# Altium PCB PCB.PcbDoc (part 1 of 3) (continued)
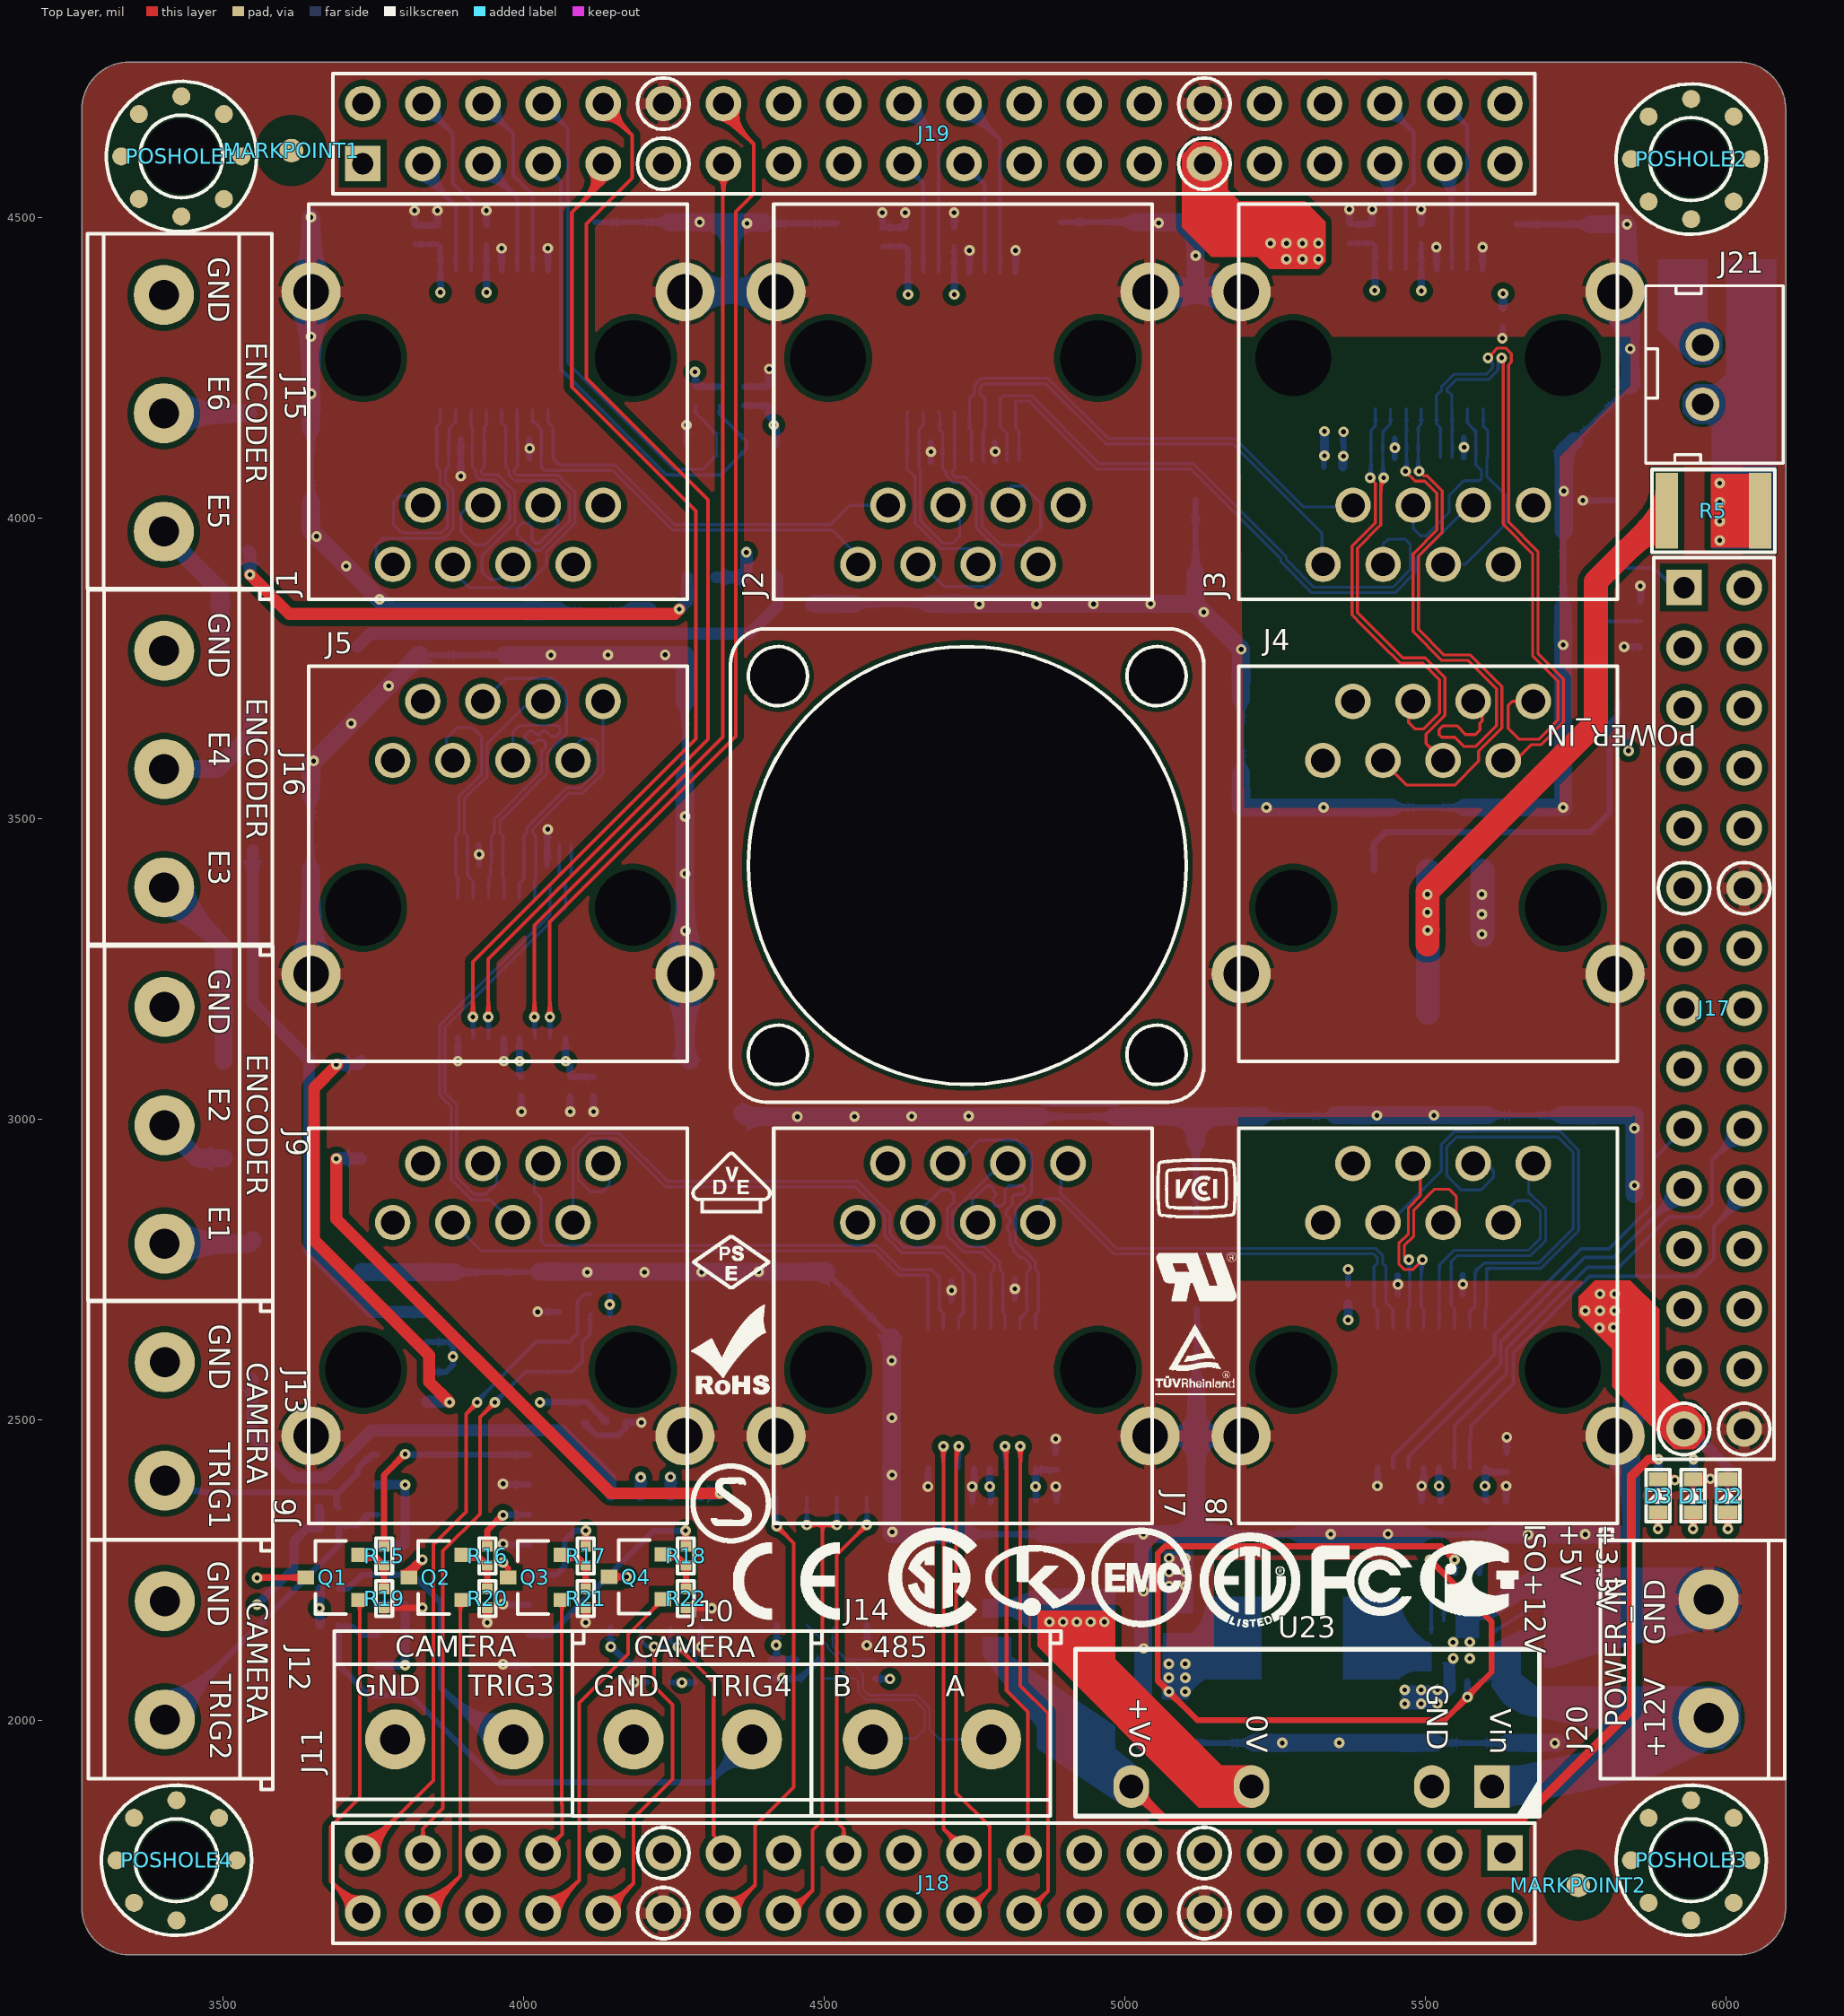
[diagram p0: Top Layer view]
## Components (designator, comment, footprint, x,y, rotation, side; value= is the part's Value field where it differs from the comment) (continued)
R24 "R" R0402 4285.43,2079.44 r270 bottom value=1K
R25 "R" R2512 3548.84,2682.35 r270 bottom value=2.4K
R26 "R" R0402 4584.57,2085.89 r90 bottom value=470
R27 "R" R0402 4540.92,2085.89 r270 bottom value=120
R28 "R" R2512 3615.2,2935.33 r0 bottom value=2.4K
R29 "R" R0402 4497.28,2085.89 r270 bottom value=470
R30 "R" R0402 4326.28,4203.62 r90 bottom value=1K
R31 "R" R0402 4285.91,4203.62 r90 bottom value=1K
R32 "R" R2512 3609.23,3787 r0 bottom value=2.4K
R33 "R" R0402 4127.6,2675.47 r0 bottom value=1K
R34 "R" R0402 4127.6,2709.03 r0 bottom value=1K
R35 "R" R2512 3615.2,3097.39 r0 bottom value=2.4K
R36 "R" R2512 4919.26,2086.48 r270 bottom value=750R
R37 "R" R2512 3541.72,4060.65 r270 bottom value=2.4K
R38 "R" R2512 3549.26,3562.32 r270 bottom value=2.4K
SH1 "SHIELDSUPPORT" SHIELDSUPPORT1 4611.69,3858.03 r0 bottom
SH2 "SHIELDSUPPORT" SHIELDSUPPORT1 5665.37,3006.97 r0 bottom
SH3 "SHIELDSUPPORT" SHIELDSUPPORT1 4802.77,2310.06 r180 bottom
SH4 "SHIELDSUPPORT" SHIELDSUPPORT1 4557.13,2691.27 r315 bottom
SH5 "SHIELDSUPPORT" SHIELDSUPPORT1 5119.47,2623.37 r90 bottom
SH6 "SHIELDSUPPORT" SHIELDSUPPORT1 4180.35,4493.03 r0 bottom
SH7 "SHIELDSUPPORT" SHIELDSUPPORT1 3646.21,4088.31 r90 bottom
SH8 "SHIELDSUPPORT" SHIELDSUPPORT1 4460.22,4490.85 r180 bottom
SH9 "SHIELDSUPPORT" SHIELDSUPPORT1 5118.12,2900.71 r90 bottom
SH10 "SHIELDSUPPORT" SHIELDSUPPORT1 5288.77,3006.97 r180 bottom
SH11 "SHIELDSUPPORT" SHIELDSUPPORT1 5848.7,2625.16 r90 bottom
SH12 "SHIELDSUPPORT" SHIELDSUPPORT1 4118.89,3846.04 r0 bottom
SH13 "SHIELDSUPPORT" SHIELDSUPPORT1 4320.31,3053.94 r135 bottom
SH14 "SHIELDSUPPORT" SHIELDSUPPORT1 5576.94,1962.8 r180 bottom
SH15 "SHIELDSUPPORT" SHIELDSUPPORT1 5153.81,1962.8 r180 bottom
SH16 "SHIELDSUPPORT" SHIELDSUPPORT1 5230.68,2310.06 r180 bottom
SH17 "SHIELDSUPPORT" SHIELDSUPPORT1 5552.73,2309.56 r0 bottom
SH18 "SHIELDSUPPORT" SHIELDSUPPORT1 4954.06,4493.03 r0 bottom
SH19 "SHIELDSUPPORT" SHIELDSUPPORT1 3907.88,3773.03 r0 bottom
SH20 "SHIELDSUPPORT" SHIELDSUPPORT1 5785.59,4165.63 r45 bottom
SH21 "SHIELDSUPPORT" SHIELDSUPPORT1 5117.52,3957.59 r90 bottom
SH22 "SHIELDSUPPORT" SHIELDSUPPORT1 5212.58,4493.03 r0 bottom
SH23 "SHIELDSUPPORT" SHIELDSUPPORT1 4922.07,3004.99 r0 bottom
SH24 "SHIELDSUPPORT" SHIELDSUPPORT1 3646.21,3477.97 r90 bottom
SH25 "SHIELDSUPPORT" SHIELDSUPPORT1 3945.71,2746.09 r180 bottom
SH26 "SHIELDSUPPORT" SHIELDSUPPORT1 5713.38,4489.61 r180 bottom
SH27 "SHIELDSUPPORT" SHIELDSUPPORT1 5504.66,3519.04 r0 bottom
SH28 "SHIELDSUPPORT" SHIELDSUPPORT1 5193.64,3637.88 r90 bottom
SH29 "SHIELDSUPPORT" SHIELDSUPPORT1 5729.29,3912.37 r90 bottom
SH30 "SHIELDSUPPORT" SHIELDSUPPORT1 4268.26,3632.87 r90 bottom
U1 "TLV62130" TLV62130 5560.08,2116.72 r0 bottom
U2 "DS90LV047A" DS90LV047 3950.84,4296.73 r270 bottom
U3 "DS90LV047A" DS90LV047 4728.92,4293.19 r270 bottom
U4 "ESD204" ESD204 4009.52,4115.84 r90 bottom
U5 "ESD204" ESD204 3895.05,4115.84 r90 bottom
U6 "ESD204" ESD204 4784.44,4112.31 r90 bottom
U7 "ESD204" ESD204 4677.4,4112.31 r90 bottom
U8 "ESD204" ESD204 5564.43,4117.9 r90 bottom
U9 "ESD204" ESD204 5448.93,4117.9 r90 bottom
U10 "DS90LV047A" DS90LV047 5505.83,4298.78 r270 bottom
U11 "DS90LV047A" DS90LV047 3979.98,3252.19 r90 bottom
U12 "ESD204" ESD204 3926.33,3441.5 r270 bottom
U13 "ESD204" ESD204 4039.6,3441.5 r270 bottom
U14 "ESD204" ESD204 4711.48,2715.14 r270 bottom
U15 "DS90LV047A" DS90LV047 4762.26,2535.79 r90 bottom
U16 "DS90LV047A" DS90LV047 5509.98,2536.77 r90 bottom
U17 "ESD204" ESD204 4816.98,2715.14 r270 bottom
U18 "ESD204" ESD204 5454.21,2725.16 r270 bottom
U19 "ESD204" ESD204 5562.67,2725.16 r270 bottom
U20 "ELQ3H4" ELQ3H4 3882.74,2267.39 r180 bottom locked
U21 "MAX3485CSA" MAX3485CSA 4495.92,2265.59 r270 bottom
U22 "TLP2168" TLP2168 4219.6,2264.89 r270 bottom
U23 "ZY_FKS-2W" ZY_FKS-2W 5310.87,1890.18 r180 top locked
U24 "TLP2168" TLP2168 4347.04,4012.5 r90 bottom
U25 "TLP2168" TLP2168 3948.97,2604.89 r0 bottom

## Footprints (in the part's own frame and the unit in brackets; to place one, negate y for a bottom-side part, rotate by r counter-clockwise, add the part's x,y. Pads: shape width x height; smd on the part's side, far side on the other; paste and mask are expansions set on the pad)
C0402 [mm] "C0402"
  rect 0.45x0.45 smd: 1(-0.4,0) 2(0.4,0)
  silkscreen extent -0.75,-0.35 0.75,0.35, body extent -0.5,-0.25 0.5,0.25, height 0.52
C0805 [mm] "C0805"
  rect 0.8x1.25 smd: 1(-0.8,0) 2(0.8,0)
  silkscreen extent -1.35,-0.75 1.35,0.75, body extent -0.99,-0.66 1.01,0.67, height 1.19
C7343 [mm] "CASE-E tan cap"
  rect 2x2.4 smd: 1(-2.975,0) 2(2.975,0)
  silkscreen extent -3.75,-2.2 3.75,2.2, body extent -3.63,-2.17 3.68,2.13, height 2.92
DO-214AC [mm] "DO-214AC"
  rect 2.1x1.45 smd: 1(-1.45,0) 2(1.45,0)
  silkscreen extent -2.3,-1.5 2.3,1.5, body extent -2.35,-1.32 2.35,1.35, height 2.06
DS90LV047 [mm]
  oval 1x0.4 smd: 1(-2.95,2.275) 2(-2.95,1.625) 3(-2.95,0.975) 4(-2.95,0.325) 5(-2.95,-0.325) 6(-2.95,-0.975) 7(-2.95,-1.625) 8(-2.95,-2.275) 9(2.95,-2.275) 10(2.95,-1.625) 11(2.95,-0.975) 12(2.95,-0.325) 13(2.95,0.325) 14(2.95,0.975) 15(2.95,1.625) 16(2.95,2.275)
  silkscreen extent -2.2,-2.5 2.2,2.5, body extent -3.16,-2.51 3.26,2.49, height 1.2
ELQ3H4 [mm]
  oval 1.2x0.55 smd: 1(-3.2,4.445) 2(-3.2,3.175) 3(-3.2,1.905) 4(-3.2,0.635) 5(-3.2,-0.635) 6(-3.2,-1.905) 7(-3.2,-3.175) 8(-3.2,-4.445) 9(3.2,-4.445) 10(3.2,-3.175) 11(3.2,-1.905) 12(3.2,-0.635) 13(3.2,0.635) 14(3.2,1.905) 15(3.2,3.175) 16(3.2,4.445)
  silkscreen extent -2.2,-5.14 2.2,5.14
ESD204 [mm]
  rrect45% 0.565x0.2 smd: 1(-0.417,1) 2(-0.417,0.5) 4(-0.417,-0.5) 5(-0.417,-1) 6(0.417,-1) 7(0.417,-0.5) 9(0.417,0.5) 10(0.417,1)
  rrect45% 0.565x0.4 smd: 3(-0.417,0) 8(0.417,0)
  silkscreen extent -1.27,-1.25 0.5,1.27
FXL0624 [mm]
  rect 2.35x3.5 smd: 1(-2.9,0) 2(2.9,0)
  silkscreen extent -3.5,-3.3 3.5,3.3, body extent -3.74,-3.3 3.74,3.3, height 2.35
HDR2X15 [mm] "Connector; Header;"
  rect 1.5x1.5 hole 0.9: 1(-17.78,-1.27)
  round 1.5 hole 0.9: 2(-17.78,1.27) 3(-15.24,-1.27) 4(-15.24,1.27) 5(-12.7,-1.27) 6(-12.7,1.27) 7(-10.16,-1.27) 8(-10.16,1.27) 9(-7.62,-1.27) 10(-7.62,1.27) 11(-5.08,-1.27) 12(-5.08,1.27) 13(-2.54,-1.27) 14(-2.54,1.27) 15(0,-1.27) 16(0,1.27) 17(2.54,-1.27) 18(2.54,1.27) 19(5.08,-1.27) 20(5.08,1.27) 21(7.62,-1.27) 22(7.62,1.27) 23(10.16,-1.27) 24(10.16,1.27) 25(12.7,-1.27) 26(12.7,1.27) 27(15.24,-1.27) 28(15.24,1.27) 29(17.78,-1.27) 30(17.78,1.27)
  silkscreen extent -19.05,-2.54 19.05,2.54
HDR2X20 [mm] "Connector; Header;"
  rect 1.5x1.5 hole 0.9: 1(-24.13,-1.27)
  round 1.5 hole 0.9: 2(-24.13,1.27) 3(-21.59,-1.27) 4(-21.59,1.27) 5(-19.05,-1.27) 6(-19.05,1.27) 7(-16.51,-1.27) 8(-16.51,1.27) 9(-13.97,-1.27) 10(-13.97,1.27) 11(-11.43,-1.27) 12(-11.43,1.27) 13(-8.89,-1.27) 14(-8.89,1.27) 15(-6.35,-1.27) 16(-6.35,1.27) 17(-3.81,-1.27) 18(-3.81,1.27) 19(-1.27,-1.27) 20(-1.27,1.27) 21(1.27,-1.27) 22(1.27,1.27) 23(3.81,-1.27) 24(3.81,1.27) 25(6.35,-1.27) 26(6.35,1.27) 27(8.89,-1.27) 28(8.89,1.27) 29(11.43,-1.27) 30(11.43,1.27) 31(13.97,-1.27) 32(13.97,1.27) 33(16.51,-1.27) 34(16.51,1.27) 35(19.05,-1.27) 36(19.05,1.27) 37(21.59,-1.27) 38(21.59,1.27) 39(24.13,-1.27) 40(24.13,1.27)
  silkscreen extent -25.4,-2.54 25.4,2.54
KF301-5.0-2P [mm] "5.0间距螺钉端子"
  round 2.54 hole 1.27: 1(-2.5,0) 2(2.5,0)
  silkscreen extent -5.08,-3.23 5.46,4.57, body extent -5.03,-3.19 5.47,4.51, height 10.16
KF301-5.0-3P [mm]
  round 2.54 hole 1.27: 1(-5,0) 2(0,0) 3(5,0)
  silkscreen extent -7.58,-3.23 7.87,4.57, body extent -7.58,-3.13 7.92,4.57, height 10
LED0603 [mm] "Chip LED, 2-Leads, Body 1.60x0.80mm, IPC High Density"
  rect 0.6x0.8 smd: 1(-0.7,0) 2(0.7,0)
  silkscreen extent -1.1,-0.56 1.1,0.56, body extent -0.85,-0.39 0.85,0.41, height 0.65
MARKPOINT-1.0#1 [mm]
  round 1 smd: ""(0,0)
  round 3 on Top Solder: ""(0,0)
  Top Layer pour cut-out: 0,-1.494 -0.572,-1.38 -1.056,-1.056 -1.38,-0.572 -1.494,0 -1.494,0 -1.38,0.572 -1.056,1.056 -0.572,1.38 0,1.494 0,1.494 0.572,1.38 1.056,1.056 1.38,0.572 1.494,0 1.494,0 1.38,-0.572 1.056,-1.056 0.572,-1.38 0,-1.494
MARKPOINT-1.0#2 [mm]
  round 1 smd: ""(0,0)
  round 3 on Bottom Solder: ""(0,0)
  Top Layer pour cut-out: 0,-1.494 -0.572,-1.38 -1.056,-1.056 -1.38,-0.572 -1.494,0 -1.494,0 -1.38,0.572 -1.056,1.056 -0.572,1.38 0,1.494 0,1.494 0.572,1.38 1.056,1.056 1.38,0.572 1.494,0 1.494,0 1.38,-0.572 1.056,-1.056 0.572,-1.38 0,-1.494
MAX3485CSA [mm]
  rect 1.1x0.55 smd: 1(-2.7,1.905) 2(-2.7,0.635) 3(-2.7,-0.635) 4(-2.7,-1.905) 5(2.7,-1.905) 6(2.7,-0.635) 7(2.7,0.635) 8(2.7,1.905)
  silkscreen extent -1.95,-2.5 1.95,2.54, body extent -3.13,-2.5 3.13,2.5, height 1.78
POSHOLE-3.2 [mil] "3.2mm hole"
  round 30 smd: ""(-100,0) ""(-70.71,-70.71) ""(-70.71,70.71) ""(0,-100) ""(0,100) ""(70.71,-70.71) ""(70.71,70.71) ""(100,0)
  round 30 smd far side: ""(-100,0) ""(-70.71,-70.71) ""(-70.71,70.71) ""(0,-100) ""(0,100) ""(70.71,-70.71) ""(70.71,70.71) ""(100,0)
  round 0 hole 125.98 unplated: ""(0,0)
  Top Layer pour cut-out: 0,-125 -47.84,-115.48 -88.39,-88.39 -115.48,-47.84 -125,0 -125,0 -115.48,47.84 -88.39,88.39 -47.84,115.48 0,125 0,125 47.84,115.48 88.39,88.39 115.48,47.84 125,0 125,0 115.48,-47.84 88.39,-88.39 47.84,-115.48 0,-125
  Bottom Layer pour cut-out: 0,-125 -47.84,-115.48 -88.39,-88.39 -115.48,-47.84 -125,0 -125,0 -115.48,47.84 -88.39,88.39 -47.84,115.48 0,125 0,125 47.84,115.48 88.39,88.39 115.48,47.84 125,0 125,0 115.48,-47.84 88.39,-88.39 47.84,-115.48 0,-125
  silkscreen extent -125,-125 125,125
R0402 [mm] "R0402"
  rect 0.45x0.45 smd: 1(-0.4,0) 2(0.4,0)
  silkscreen extent -0.75,-0.35 0.75,0.35, body extent -0.51,-0.25 0.49,0.25, height 0.3
R1812 [mm]
  rect 0.95x3.2 smd: 1(-1.975,0) 2(1.975,0)
  silkscreen extent -2.59,-1.75 2.59,1.75, body extent -2.25,-1.6 2.25,1.6, height 0.6
R2512 [mm] "Chip Resistor, 2-Leads, Body 6.35x3.20mm, IPC High Density"
  rect 0.95x3.3 smd: 1(-2.9,0) 2(2.9,0)
  silkscreen extent -2.05,-1.55 2.05,1.55, body extent -3.22,-1.7 3.22,1.7, height 0.55
RJ45-UP [mm]
  round 1.5 hole 1: 1(4.44,5.76) 2(3.17,3.26) 3(1.9,5.76) 4(0.63,3.26) 5(-0.64,5.76) 6(-1.91,3.26) 7(-3.18,5.76) 8(-4.45,3.26)
  round 2.5 hole 1.5: SH1(7.9,-5.76) SH2(-7.9,-5.76)
  round 0 hole 3.2 unplated: ""(-5.7,-2.96) ""(5.7,-2.96)
  silkscreen extent -8,-9.46 8,7.24
SHIELDSUPPORT1 [mm] "YS0073A1 L4.4xW0.8xH0.8 0.2"
  rect 1.4x0.8 smd: SH(-1.555,0) SH(1.555,0)
  rect 1.25x0.8 smd: SH(0,0)
  silkscreen extent -2.3,-0.5 2.3,0.5
SOT-23 [mm] "SOT-23"
  rect 0.7x0.6 smd: 1(-1.137,0.95) 2(-1.137,-0.95) 3(1.138,0)
  silkscreen extent -0.56,-1.55 0.74,1.55, body extent -1.24,-1.5 1.22,1.5, height 1.04
SOT-223 [mm] "SOT223, 4-Leads, Body 6.50x7.00mm (avg), Pitch 2.30mm, IPC High Density"
  rect 1.6x0.9 smd: 1(-3,2.3) 2(-3,0) 3(-3,-2.3)
  rect 1.6x3.2 smd: 4(3,0)
  silkscreen extent -1.9,-3.35 1.9,3.35, body extent -3.41,-3.24 3.43,3.26, height 1.68
TLP2168 [mm]
  rect 0.95x0.55 smd: 1(-2.8,1.905) 2(-2.8,0.635) 3(-2.8,-0.635) 4(-2.8,-1.905) 5(2.8,-1.905) 6(2.8,-0.635) 7(2.8,0.635) 8(2.8,1.905)
  silkscreen extent -1.97,-2.55 1.97,2.55
TLV62130 [mm] "PQFN, 16-Leads, Body 3.00x3.00mm, Pitch 0.50mm, Thermal Pad 1.68x1.68mm, IPC High Density"
  rect 0.45x0.25 smd: 1(-1.275,0.75) 2(-1.275,0.25) 3(-1.275,-0.25) 4(-1.275,-0.75) 9(1.275,-0.75) 10(1.275,-0.25) 11(1.275,0.25) 12(1.275,0.75)
  rect 0.25x0.45 smd: 5(-0.75,-1.275) 6(-0.25,-1.275) 7(0.25,-1.275) 8(0.75,-1.275) 13(0.75,1.275) 14(0.25,1.275) 15(-0.25,1.275) 16(-0.75,1.275)
  rect 1.68x1.68 smd: 17(0,0)
  silkscreen extent -1.58,-1.5 1.5,1.58
XH-2A [mil] "XH2.54接线端子2P"
  round 56 hole 36: 1(-49.21,0) 2(49.22,0)
  silkscreen extent -148,-134 148,94, body extent -146,-134 146,94, height 276
ZY_FKS-2W [mm] "定压输入隔离非稳压单输出"
  rect 1.5x1.8 hole 1: 1(-7.62,0)
  oval 1.5x1.8 hole 1: 2(-5.08,0) 5(2.54,0) 7(7.62,0)
  silkscreen extent -9.62,-5.8 9.98,1.25

## Part data
C1 C2 C3 C4 C5 C6 C7 C8 C9 C10 C11 C12 C13 C14 C15 C16 C17 C18 C19 C20 C21 C22 C23 C24 C25 C26 C27 C28 C29 C30 C31 C32 C33 C34 C35 C36: voltage=25V
  C1 C2 C3 C4 C6 C7 C8 C9 C10 C11 C12 C13 C14 C15 C16 C17 C18 C19 C20 C21 C22 C23 C24 C25 C26 C27 C28 C29 C30 C31 C32 C33 C34 C35 C36: precision=5%
D4: library part DIOD2
J1 J2 J3 J4 J5 J6 J7 J8: Supplier Part Number 1=C2683357, Supplier 1=LCSC
J9 J15 J16: Supplier Part Number 1=C474884, Supplier 1=LCSC, Supplier 2=LCSC, Supplier Part Number 2=C609572
J10 J11 J12 J13 J14 J20 J21: Supplier Part Number 1=C474881, Supplier 1=LCSC, Supplier 2=LCSC, Supplier 3=LCSC, Supplier Part Number 2=C225477, Supplier Part Number 3=C20079
J17: Supplier Part Number 1=C124359, Supplier 1=LCSC, Supplier 2=LCSC, Supplier Part Number 2=C3405
J18 J19: Supplier Part Number 1=C124383, Supplier 1=LCSC
Q1 Q2 Q3 Q4 Q6: library part NPN, Supplier Part Number 1=C260863, Supplier 1=LCSC
Q5: Supplier Part Number 1=C725128, Supplier 1=LCSC
U1: Supplier Part Number 1=C122479, Supplier 1=LCSC
U2 U3 U10 U11 U15 U16: Supplier Part Number 1=C87097, Supplier 1=LCSC
U4 U5 U6 U7 U8 U9 U12 U13 U14 U17 U18 U19: Supplier Part Number 1=C553132, Supplier 1=LCSC
U20: Supplier Part Number 1=C150957, Supplier 1=LCSC
U21: Supplier Part Number 1=C1121852, Supplier 1=LCSC
L1: Code_IEC=1005, Code_JEITA=0402, LatestRevisionDate=29-May-2009, LatestRevisionNote="IPC-7351 Footprint Added.", PackageDescription="Chip Inductor", PackageReference=0402-A, Published=8-Jun-2000, Publisher="Altium Limited"
R1 R2 R3 R4 R5 R6 R7 R8 R9 R10 R11 R12 R13 R14 R15 R16 R17 R18 R19 R20 R21 R22 R23 R24 R25 R26 R27 R28 R29 R30 R31 R32 R33 R34 R35 R36 R37 R38: precision=1%

## Via types
v1: diameter 17.72, hole 7.87, Top Layer to Bottom Layer, tented both sides, 254 vias

## Nets (pads, with @x,y where several pads share a name; then routed paths per layer and width w, separated by ;. In a path a pad name is that pad's centre, name@x,y a point inside that pad or via, vN(x,y) a via of type N, cw(c..) or ccw(c..) an arc to the next point about the centre after c; other vN are vias at no path point)
+3.3V: C6.2 C7.2 C8.2 C9.2 C10.2 C11.2 C12.2 C13.2 C14.2 C15.2 C16.2 C17.2 C18.2 C19.2 C20.2 C21.2 C22.2 C23.2 C24.2 C25.2 C26.2 C27.2 C28.2 C29.2 C30.2 C31.2 C33.2 C34.2 C35.2 C36.2 J17.29 J18.29 J19.29 Q1.3 Q2.3 Q3.3 Q4.3 R4.2 R9.1 R23.2 R24.2 R26.1 R30.2 R31.2 R33.2 R34.2 U2.1 U2.4 U3.1 U3.4 U10.1 U10.4 U11.1 U11.4 U15.1 U15.4 U16.1 U16.4 U21.8 U22.8 U24.8 U25.8 | length 2143
  Top Layer w10: v1(3556.67,2237.4) 3557.34,2238.07 Q1.3@3637.73,2238.07 ; v1@3964.69,2263.05 3974.11,2253.63 Q3.3@3974.11,2238.07 ; Q4.3@4142.37,2239.1 4170.92,2239.1 v1(4171.1,2239.28)
  Top Layer w15: Q2.3@3808.98,2238.07 3808.98,2246.26 v1@3830.38,2267.66
  Bottom Layer w8: C9.2@3818.88,4456.17 C8.2@3856.93,4456.17 3861.27,4451.83 U2.1@3861.27,4412.87 ; U2.4@3938.04,4412.87 3938.04,4455.93 C10.2@3938.28,4456.17 ; C11.2@4596.96,4452.63 C13.2@4635.01,4452.63 ; U3.1@4639.35,4409.33 C13.2@4639.35,4448.29 ; U3.4@4716.12,4409.33 C12.2@4716.12,4452.39 ; C14.2@5373.86,4458.22 C15.2@5411.92,4458.22 ; U10.1@5416.26,4414.92 C15.2@5416.26,4453.88 ; U10.4@5493.03,4414.92 C16.2@5493.03,4457.98 ; C21.2@5599.54,2367.44 C21.2@5602.8,2364.18 ; U16.1@5599.54,2420.63 U16.1@5606.74,2413.44 ; R4.2@5837.97,3640.24 R4.2@5838.56,3640.84
  Bottom Layer w10: v1@3861.27,4376.43 U2.1@3861.27,4412.87 ; v1@3938.04,4376.43 U2.4@3938.04,4412.87 ; U11.4@3992.77,3136.05 3992.77,3074.18 C18.2@3996.07,3070.89 ; v1(4027.18,2529.55) 4027.53,2529.89 U25.8@4059.2,2529.89 4104.56,2529.89 C28.2@4137.91,2496.54 ; U11.1@4069.54,3136.05 4069.54,3098.83 4077.21,3091.16 C19.2@4077.21,3070.89 C17.2@4116.06,3070.89 ; R33.2@4143.34,2675.47 R34.2@4143.34,2709.03 ; U22.8@4144.6,2154.65 4144.6,2123.19 v1(4144.92,2122.87) 4145.92,2122.87 4164.97,2103.81 C31.2@4164.97,2095.19 C30.2@4205.13,2095.19 ; R23.2@4245.28,2063.69 4245.35,2063.69 4245.62,2063.43 4285.17,2063.43 R24.2@4285.43,2063.69 ; v1(4285.03,4244.07) 4285.91,4243.19 R31.2@4285.91,4219.37 R30.2@4326.28,4219.37 ; C26.2@4366.64,4187.87 C27.2@4407,4187.87 4407,4169.75 4420.72,4156.03 U24.8@4420.72,4122.56 ; U21.8@4420.92,2159.29 4420.92,2101.63 C33.2@4409.99,2101.63 C34.2@4453.63,2101.63 ; R26.1@4584.57,2070.14 4585.34,2069.36 v1(4609.3,2069.36) ; v1@4639.35,4372.89 U3.1@4639.35,4409.33 ; v1@4716.12,4372.89 U3.4@4716.12,4409.33 ; v1(4775.26,2389.33) U15.4@4775.26,2419.45 ; C24.2@4777.6,2363.21 v1@4777.6,2383.02 ; C25.2@4851.83,2366.47 U15.1@4851.83,2419.65 ; U15.1@4858.67,2417.05 C23.2@4887.37,2417.05 ; C6.2@5331.17,4085.41 v1@5331.17,4103.56 ; v1(5415.78,4379.46) 5416.26,4379.94 U10.1@5416.26,4414.92 ; U10.4@5493.03,4414.92 5493.52,4414.43 v1(5493.52,4378.77) ; v1(5522.97,2390.3) 5522.97,2420.43 U16.4@5522.77,2420.63 5521.98,2419.84 5521.98,2387.33 5525.31,2384 C22.2@5525.31,2364.18 ; C21.2@5599.54,2367.44 U16.1@5599.54,2420.63 ; U16.1@5606.74,2413.44 C20.2@5635.43,2413.44 ; v1(5837.97,3613.47) R4.2@5837.97,3640.24 R4.2@5838.56,3640.84
  Bottom Layer w15: v1(5332.11,4104.4) C35.2@5332.09,4121.88 ; C35.2@5332.09,4121.88 5332.28,4122.07 v1(5332.28,4145.03) ; C36.2@5371.27,2693.72 5371.51,2693.48 v1(5371.51,2666.51) ; C7.2@5629.07,4351.24 v1(5629.07,4374.14) ; J17.29@5930.35,2484.98 5940.19,2484.98 6004.26,2420.92 R9.1@6004.26,2390.01
  other v1: 4263.33,2063.2 4420.13,2125.48 3965.79,2263.05 3831.4,2267.66 4851.47,2389.33 5599.19,2390.3 5789.55,2653.51 5813.08,2653.98 5766.06,2681.9 5790.51,2681.9 5814.97,2681.9 4143.28,2692.2 5790.51,2709.82 5814.97,2709.82 3993.27,3097.12 4070.14,3097.12 4415.99,4155.42 4639.53,4372.72 4716.3,4372.72 3861.45,4376.25 3938.22,4376.25 5268.95,4431.47 5295.52,4431.47 5322.1,4431.47 5242.37,4457.91 5268.95,4457.91 5295.52,4457.91 5322.1,4457.91
+5V: C3.1 D4.1 J17.11 J18.11 J19.11 J21.2 L1.2 R1.2 R2.2 R8.1 U1.14 | length 1681.3
  Top Layer w10: v1(5507.42,2267.45) 5610.28,2164.59 5610.28,2080.5 5570.09,2040.32 v1(5570.09,2038.92) 5531.83,2000.66 5120.81,2000.66 v1(5073.44,2048.03) 5054.89,2066.58 5054.89,2277.91 5066.86,2289.87 5526.19,2289.87 v1(5548.71,2267.35)
  Bottom Layer w10: v1(5507.42,2267.45) 5507.98,2266.9 R2.2@5507.98,2245.22 ; v1(5548.71,2267.35) 5548.85,2267.21 R1.2@5548.85,2245.22 ; v1(5570.09,2038.92) U1.14@5570.09,2065.49
  Bottom Layer w15: R8.1@5945.9,2390.01 v1@5945.9,2434.57
  other v1: 5100.63,2048.03 5073.44,2071.16 5100.63,2071.16 5073.44,2094.28 5100.63,2094.28 5946.16,2434.82
+12V: C1.2 C2.2 J20.1 U1.10 U1.11 U1.12 U1.13 U23.1 | length 37.1
  Bottom Layer w6: U1.13@5589.61,2066.53 5603,2066.53 5610.28,2073.81 U1.12@5610.28,2087.2
+ISO12V: C32.2 R10.1 R11.1 R12.1 R13.1 R14.1 R36.2 U23.7 | length 1697.1
  Top Layer w15: U23.7@5010.87,1890.18 5063.98,1837.08 5662.18,1837.08 5843,2017.9 5843,2406.75 5871.08,2434.82 v1(5887.81,2434.82)
  Bottom Layer w15: v1(3556.67,2192.71) 3617.96,2254.01 3617.96,2298.36 3640.25,2320.65 R12.1@3660.59,2320.65 3660.6,2352.94 R11.1@3659.46,2354.08 ; R14.1@3660.83,2158.52 R13.1@3660.83,2219.57 ; R10.1@5887.55,2390.01 5887.55,2434.57 v1(5887.81,2434.82)
  other v1: 3660.22,2186.88
CAMERA_TRIG1: J13.2 R11.2 U20.16 | length 418.9
  Bottom Layer w10: J13.2@3402.9,2399.15 3420.12,2381.93 3463.27,2381.93 3465.48,2379.73 3684.46,2379.73 3688.23,2375.95 ; R11.2@3692.08,2354.08 3688.23,2357.94 3688.23,2375.95 ; U20.16@3756.76,2442.39 3747.12,2442.39 3723.96,2419.23 3723.96,2411.69 3688.23,2375.95
CAMERA_TRIG2: J12.2 R12.2 U20.14 | length 518.6
  Bottom Layer w10: J12.2@3402.9,2001.77 3692.32,2291.19 3692.32,2320.65 R12.2@3692.32,2326.86 ; R12.2@3692.08,2320.65 3695.94,2324.51 3722.93,2324.51 3740.81,2342.39 U20.14@3756.76,2342.39
CAMERA_TRIG3: J11.2 R13.2 U20.12 | length 496.3
  Bottom Layer w10: R13.2@3692.32,2219.57 3707.37,2219.57 3730.18,2242.39 U20.12@3756.76,2242.39 3815.93,2242.39 3861.95,2196.37 3861.95,2054.92 3948.2,1968.67 J11.2@3982.97,1968.67
CAMERA_TRIG4: J10.2 R14.2 U20.10 | length 935.4
  Bottom Layer w10: U20.10@3756.76,2142.39 3729.36,2142.39 3715.77,2155.97 3694.87,2155.97 R14.2@3692.32,2158.52 3692.32,2091.85 3742.42,2041.75 3812.09,2041.75 3956.54,1897.3 4308.64,1897.3 J10.2@4379.84,1968.51